# KiCad board raw.kicad_pcb
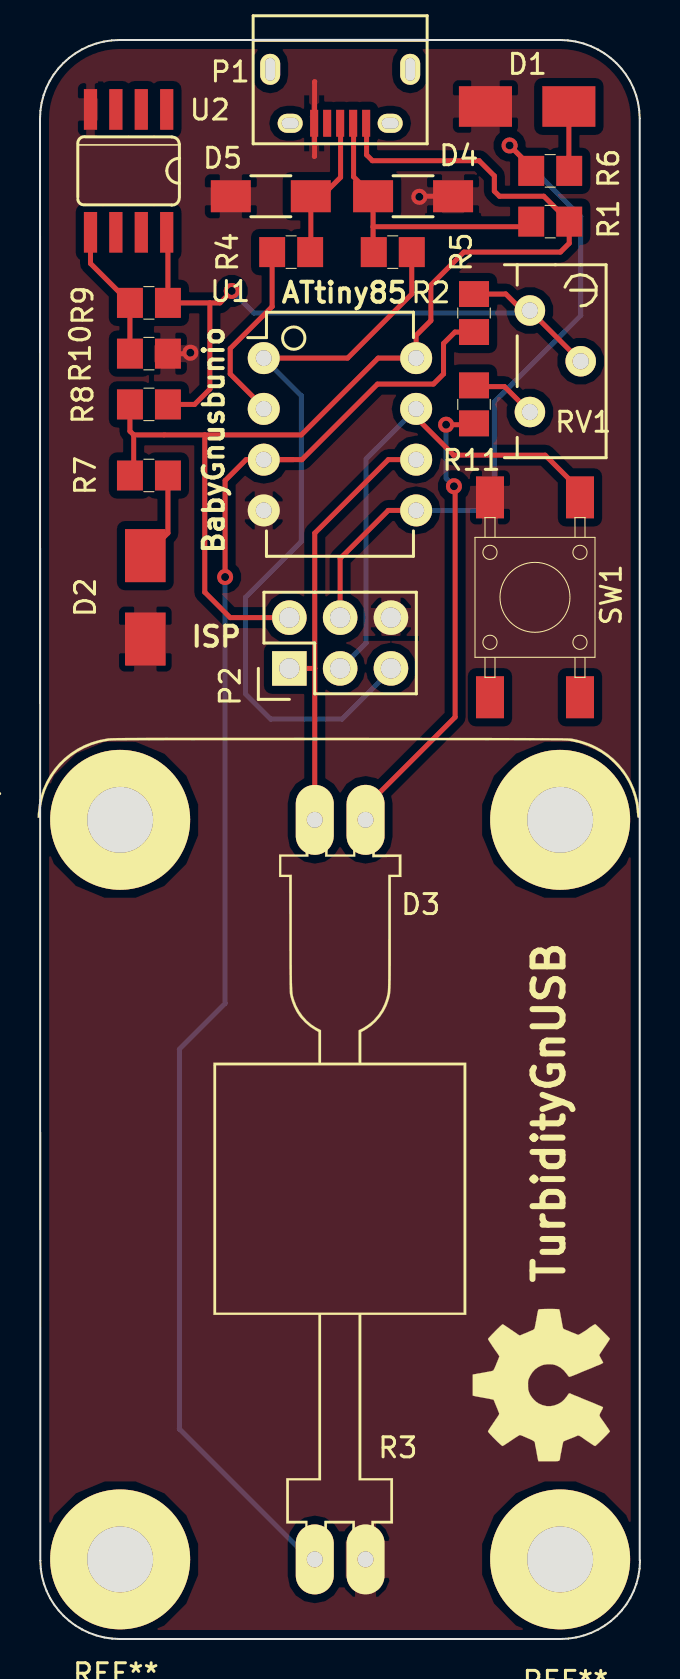
[diagram p0: board, top side]
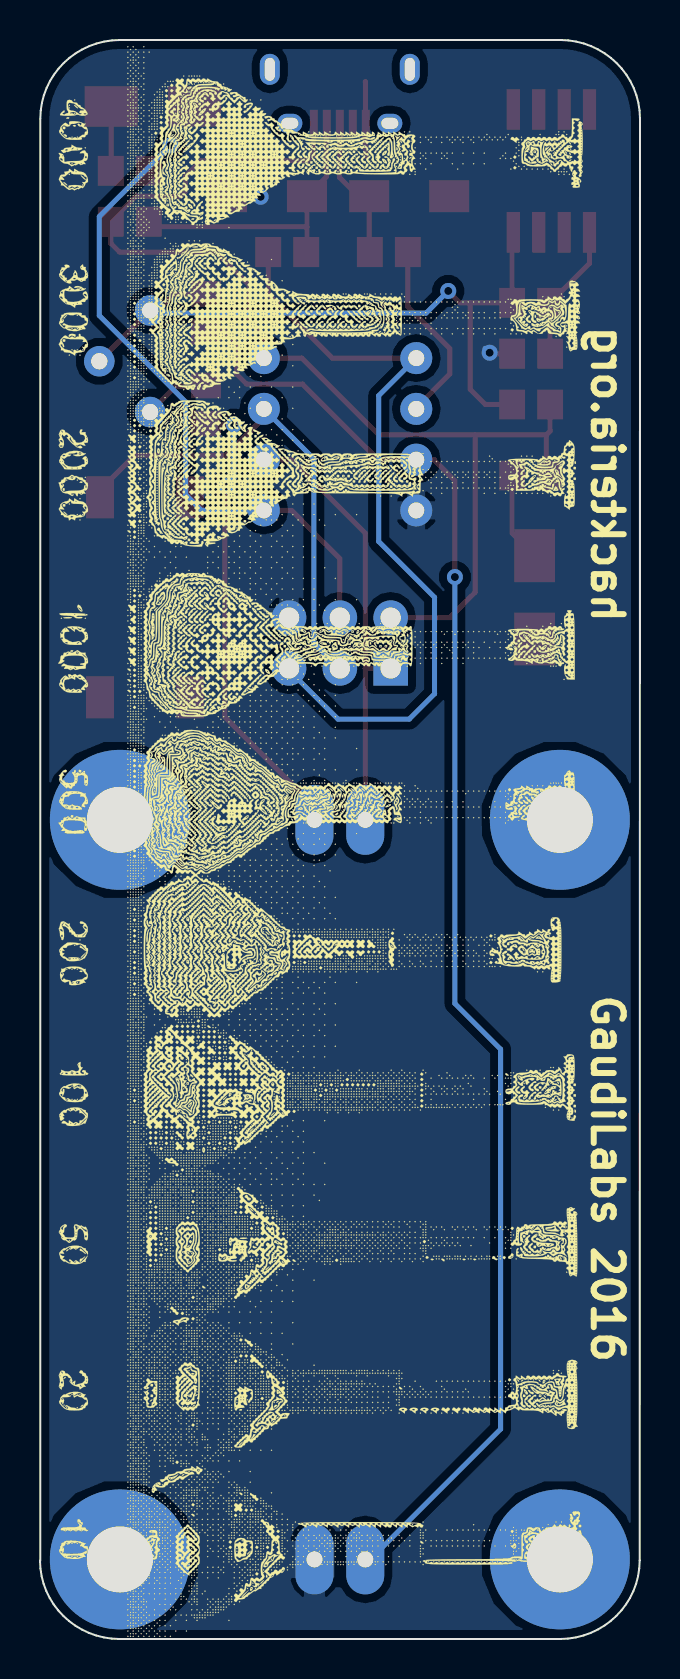
[diagram p1: board, bottom side, seen from below]

Outline 30 x 80 mm; copper layers: Top, Bottom. Coordinates in mm from the lower left corner of the outline.
Outline path: 0,76.07 0.02,76.47 0.08,76.86 0.18,77.24 0.31,77.6 0.48,77.94 0.68,78.26 0.91,78.57 1.17,78.85 1.46,79.1 1.76,79.33 2.09,79.52 2.44,79.69 2.81,79.82 3.19,79.92 3.59,79.98 4,80 25.99,80 26.4,79.98 26.79,79.92 27.18,79.82 27.54,79.69 27.89,79.52 28.22,79.33 28.53,79.1 28.81,78.85 29.07,78.57 29.3,78.26 29.5,77.94 29.67,77.6 29.81,77.24 29.9,76.86 29.96,76.47 29.99,76.07 ; 0.01,3.92 0,76.07 ; 0.02,3.93 0.04,3.53 0.1,3.14 0.2,2.76 0.33,2.4 0.5,2.06 0.7,1.73 0.93,1.43 1.19,1.15 1.47,0.9 1.78,0.67 2.11,0.47 2.46,0.31 2.82,0.18 3.21,0.08 3.6,0.02 4.01,0 26,0 26.41,0.02 26.81,0.08 27.19,0.18 27.56,0.31 27.91,0.47 28.24,0.67 28.55,0.9 28.83,1.15 29.09,1.43 29.32,1.73 29.52,2.06 29.69,2.4 29.82,2.76 29.92,3.14 29.98,3.53 30,3.93 ; 29.99,76.06 29.99,3.93

## Placement (name value [footprint] x y rotation side)
D1  LED  [Fuse_SMD1206_HandSoldering]  24.36 76.67 0 top
D2  LED  [Fuse_SMD1206_HandSoldering]  5.27 52.12 90 top
D3  LED  [SolderWirePad_2x0_8_oval]  15.01 40.98 0 top
D4  3.3V  [C_1206_HandSoldering]  18.65 72.18 0 top
D5  3.3V  [C_1206_HandSoldering]  11.54 72.18 180 top
G***  LOGO  [turbi2]  14.92 23.03 0 top
G***#2  LOGO  [OpenHardwareLogo]  25.13 12.68 90 top
G***#3  LOGO  [Turbidity2]  15.73 39.8 270 bottom
P1  USB_OTG  [USB_Micro-B]  15.01 77.39 180 top
P2  CONN_02X03  [Pin_Header_Straight_2x03]  12.47 48.56 90 top
R1  1.5k  [0805G]  25.51 70.91 270 top
R2  470k  [0805G]  21.7 66.34 180 top
R3  LDR  [SolderWirePad_2x0_8_oval]  15.01 3.98 180 top
R4  68  [0805G]  12.56 69.39 90 top
R5  68  [0805G]  17.64 69.39 270 top
R6  820  [0805G]  25.51 73.45 270 top
R7  1k  [0805G]  5.45 58.21 270 top
R8  1k  [0805G]  5.45 61.77 270 top
R9  47k  [0805G]  5.45 66.85 90 top
R10  100k  [0805G]  5.45 64.31 270 top
R11  1k  [0805G]  21.7 61.77 180 top
REF**  -  [MountingHoleRound3mm]  26.01 40.98 0 top
REF**#2  -  [MountingHoleRound3mm]  4.01 40.98 0 top
REF**#3  -  [MountingHoleRound3mm]  4.01 3.98 0 top
REF**#4  -  [MountingHoleRound3mm]  26.01 3.98 0 top
RV1  100k  [Potentiometer_Bourns_3296Y_3-8Zoll_Angular_ScrewUp]  24.5 66.47 180 top
SW1  SW_PUSH_SMALL_H  [PUSH_BUTTON_SMD]  24.75 52.12 270 top
U1  ATTINY85-P  [DIP-8_W7.62mm]  11.19 64.08 0 top
U2  LM385  [SO08]  4.43 73.45 180 top

## Footprints (pads in the part's own frame, mm; a bottom-side part is the same pattern mirrored in y, then rotated)
0805G
  rect 1.5x1.295 smd: 1(0,0.95) 2(0,-0.95)
C_1206_HandSoldering
  rect 2x1.6 smd: 1(-2,0) 2(2,0)
DIP-8_W7.62mm
  oval 1.6x1.6 hole 0.8: 1(0,0) 2(0,-2.54) 3(0,-5.08) 4(0,-7.62) 5(7.62,-7.62) 6(7.62,-5.08) 7(7.62,-2.54) 8(7.62,0)
Fuse_SMD1206_HandSoldering
  rect 2.652x2.029 smd: 1(-2.085,0) 2(2.085,0)
MountingHoleRound3mm
  round 7 hole 3.3: 1(0,0)
Pin_Header_Straight_2x03
  rect 1.727x1.727 hole 1.016: 1(0,0)
  oval 1.727x1.727 hole 1.016: 2(2.54,0) 3(0,-2.54) 4(2.54,-2.54) 5(0,-5.08) 6(2.54,-5.08)
Potentiometer_Bourns_3296Y_3-8Zoll_Angular_ScrewUp
  round 1.524 hole 0.813: 1(0,0) 2(-2.54,2.54) 3(0,5.08)
PUSH_BUTTON_SMD
  rect 2.1x1.4 smd: 1(-5,2.25) 2(-5,-2.25) 3(5,2.25) 4(5,-2.25)
SO08
  rect 0.66x2.032 smd: 1(-1.905,-3.073) 2(-0.635,-3.073) 3(0.635,-3.073) 4(1.905,-3.073) 5(1.905,3.073) 6(0.635,3.073) 7(-0.635,3.073) 8(-1.905,3.073)
SolderWirePad_2x0_8_oval
  oval 1.9x3.5 hole 0.8: 1(-1.27,0) 2(1.27,0)
USB_Micro-B
  rect 0.4x1.35 smd: 1(-1.301,1.563) 2(-0.651,1.563) 3(-0.001,1.563) 4(0.649,1.563) 5(1.299,1.563)
  oval 1x1.55 hole 0.5x1.15: 6(-3.501,-1.137) 6(3.499,-1.137)
  oval 1.25x0.95 hole 0.85x0.55: 6(-2.501,1.563) 6(2.499,1.563)

## Nets
GND: D1.1 D2.1 D4.2 D5.2 P1.5 P2.6 R3.1 R10.1 SW1.2 U1.4 U2.4
VCC: P1.1 P2.2 R1.1 R7.2 R8.2 U1.8
MISO: D3.1 P2.1 U1.6
MOSI: P2.4 R6.2 U1.5
REF: R2.2 R8.1 R9.2 RV1.1 RV1.2 U2.8
RESET: P2.5 R5.1 U1.1
SCK: P2.3 SW1.1 U1.7
Net-(D1-Pad2): D1.2 R6.1
Net-(D2-Pad2): D2.2 R7.1
Net-(D3-Pad2): D3.2 R11.1
Net-(D4-Pad1): D4.1 P1.2 R1.2 R5.2
Net-(D5-Pad1): D5.1 P1.3 R4.2
Net-(P1-Pad6): P1.6
Net-(R2-Pad1): R2.1 R3.2 U1.3
Net-(R4-Pad1): R4.1 U1.2
Net-(R10-Pad2): R9.1 R10.2 U2.5
Net-(R11-Pad2): R11.2 RV1.3

Pads without a net: P1 4; REF** 1; REF**#2 1; REF**#3 1; REF**#4 1; SW1 3 4; U2 1 2 3 6 7

## Via types
v1: diameter 0.8, hole 0.4, Top to Bottom, 7 vias

## Routing (per net, layer and track width the routed paths; a pad name or vN(x,y) marks a point on that pad's centre or on a via; arc(x,y) is an arc through that point)
GND: length 7.1
  Top w0.25: v1(7.52,64.35) 7.46,64.3 R10.1 ; v1(18.97,72.15) 19,72.18 D4.2 ; 13.74,77.91 13.73,77.9 13.73,74.18 13.72,74.17
  Bottom w0.25: v1(7.52,64.35) 7.73,64.56 7.75,64.57 ; v1(18.97,72.15) 18.95,72.17 18.95,72.38
VCC: length 58.4
  Top w0.25: 8.24,60.24 13.07,60.24 16.91,64.08 U1.8 18.81,65.22 19.54,65.96 19.54,67.74 21.19,69.39 26.02,69.39 26.46,69.83 R1.1 25.19,72.18 22.97,72.18 22.72,72.44 22.72,73.2 21.96,73.96 16.62,73.96 16.33,74.25 16.33,75.83 ; 8.24,60.24 4.68,60.24 ; 8.24,60.24 8.24,52.37 9.51,51.1 P2.2 ; 4.68,60.24 4.5,60.43 R8.2 ; 4.68,60.24 4.68,58.4 R7.2
MISO: length 22.9
  Top w0.25: 13.74,48.56 13.74,41.64 13.74,42.63 ; 13.74,48.56 13.74,55.33 17.41,59 U1.6 18.43,59 ; 13.74,48.56 P2.1
MOSI: length 34.4
  Top w0.25: U1.5 17.41,56.46 15.01,54.06 P2.4 ; v1(23.48,74.72) 24.56,73.64 R6.2
  Bottom w0.25: v1(23.48,74.72) 27.04,71.17 27.04,66.21 22.72,61.89 22.72,57.26 21.93,56.46 U1.5
REF: length 35.9
  Top w0.25: 8.49,66.85 9,66.85 9.44,67.29 9.44,67.3 v1(9.59,67.44) ; 8.49,66.85 8.49,62.53 7.73,61.77 R8.1 ; 8.49,66.85 R9.2 6.4,70.32 U2.8 ; R2.2 23.29,67.29 24.11,66.47 RV1.1 RV1.2
  Bottom w0.25: v1(9.59,67.44) 10.69,66.34 24.37,66.34 RV1.1
RESET: length 38.5
  Top w0.25: R5.1 18.59,67.29 15.38,64.08 U1.1
  Bottom w0.25: U1.1 13.07,62.21 13.07,54.91 10.27,52.12 10.27,47.29 11.54,46.02 15.1,46.02 17.55,48.47 P2.5
SCK: length 25.1
  Top w0.25: U1.7 18.81,61.11 20.69,59.23 25.26,59.23 27,57.49 SW1.1
  Bottom w0.25: U1.7 16.3,59.04 16.3,49.83 15.03,48.56 P2.3
Net-(D1-Pad2): length 3.2
  Top w0.25: R6.1 26.44,73.47 D1.2
Net-(D2-Pad2): length 4.5
  Top w0.25: D2.2 6.4,55.33 R7.1
Net-(D3-Pad2): length 22.7
  Top w0.25: R11.1 21.64,60.75 v1(20.3,60.75) ; v1(20.7,57.67) 20.76,57.61 20.76,46.12 16.28,41.64
  Bottom w0.25: v1(20.7,57.67) 20.3,58.07 v1(20.3,60.75) 20.24,60.69
Net-(D4-Pad1): length 14.9
  Top w0.25: R5.2 16.65,69.42 16.65,70.66 ; 16.65,70.66 24.31,70.66 R1.2 ; 16.65,70.66 D4.1 15.68,73.16 15.68,75.83
Net-(D5-Pad1): length 7.4
  Top w0.25: R4.2 13.54,69.42 D5.1 14.08,72.18 15.03,73.13 15.03,75.83
Net-(R2-Pad1): length 75.9
  Top w0.25: v1(9.26,53.13) 9.26,57.96 10.3,59 U1.3 ; R2.1 20.75,65.39 20.18,64.82 20.18,63.29 19.67,62.78 16.88,62.78 13.1,59 U1.3 ; U1.3 12.67,59
  Bottom w0.25: 13.74,3.73 6.97,10.5 6.97,29.51 9.26,31.8 v1(9.26,53.13)
Net-(R4-Pad1): length 9.4
  Top w0.25: R4.1 11.61,66.66 9.51,64.56 9.51,63.29 11.19,61.61 U1.2
Net-(R10-Pad2): length 6.9
  Top w0.25: U2.5 2.52,68.82 R9.1 R10.2
Net-(R11-Pad2): length 3.3
  Top w0.25: R11.2 21.76,62.66 23.23,62.66 RV1.3

## Copper pours and planes (outline as drawn; the poured copper is in the pictures)
GND on Top: 3.7,0.01 3.12,0.09 2.55,0.25 1.81,0.65 1.26,1.1 0.71,1.72 0.39,2.29 0.15,2.94 0.04,3.55 0.01,4.33 0,75.76 0.03,76.46 0.28,77.45 0.64,78.17 0.99,78.62 1.41,79.05 2,79.47 2.51,79.71 3.13,79.91 3.92,79.99 4.14,79.99 25.98,80 26.78,79.92 27.25,79.8 27.65,79.64 28.22,79.32 28.69,78.98 29.12,78.5 29.49,77.94 29.8,77.3 29.96,76.58 29.99,76.01 29.99,4.03 30,3.68 29.92,3.13 29.81,2.7 29.53,2.08 29.2,1.57 28.76,1.07 28.27,0.68 27.6,0.32 26.91,0.09 25.9,-0.01 4.25,0
GND on Bottom: 26.03,80.01 26.82,79.92 27.56,79.68 28.22,79.32 28.61,79.02 28.95,78.7 29.23,78.37 29.54,77.89 29.76,77.39 29.89,76.95 29.98,76.39 29.99,73.22 30,62.32 30,51.16 29.98,40.8 29.99,26.94 30,15.08 30,3.77 29.9,3.04 29.73,2.52 29.32,1.73 28.82,1.14 28.23,0.65 27.33,0.21 26.59,0.03 25.98,-0.01 3.99,-0.01 3.48,0.03 2.93,0.14 2.4,0.33 1.93,0.56 1.26,1.07 0.81,1.58 0.44,2.16 0.27,2.57 0.08,3.24 0.03,3.67 0.01,4.01 0,75.94 0.06,76.76 0.27,77.47 0.56,78.05 1.06,78.74 1.58,79.2 2.39,79.67 3.15,79.9 4.03,80 24.85,80

## Text on the board
B.SilkS: hackteria.org | GaudiLabs 2016
F.Fab: +
F.SilkS: ISP | ATtiny85 | BabyGnusbunio | TurbidityGnUSB
